# Altium PCB Test.PcbDoc (part 2 of 7) (continued)
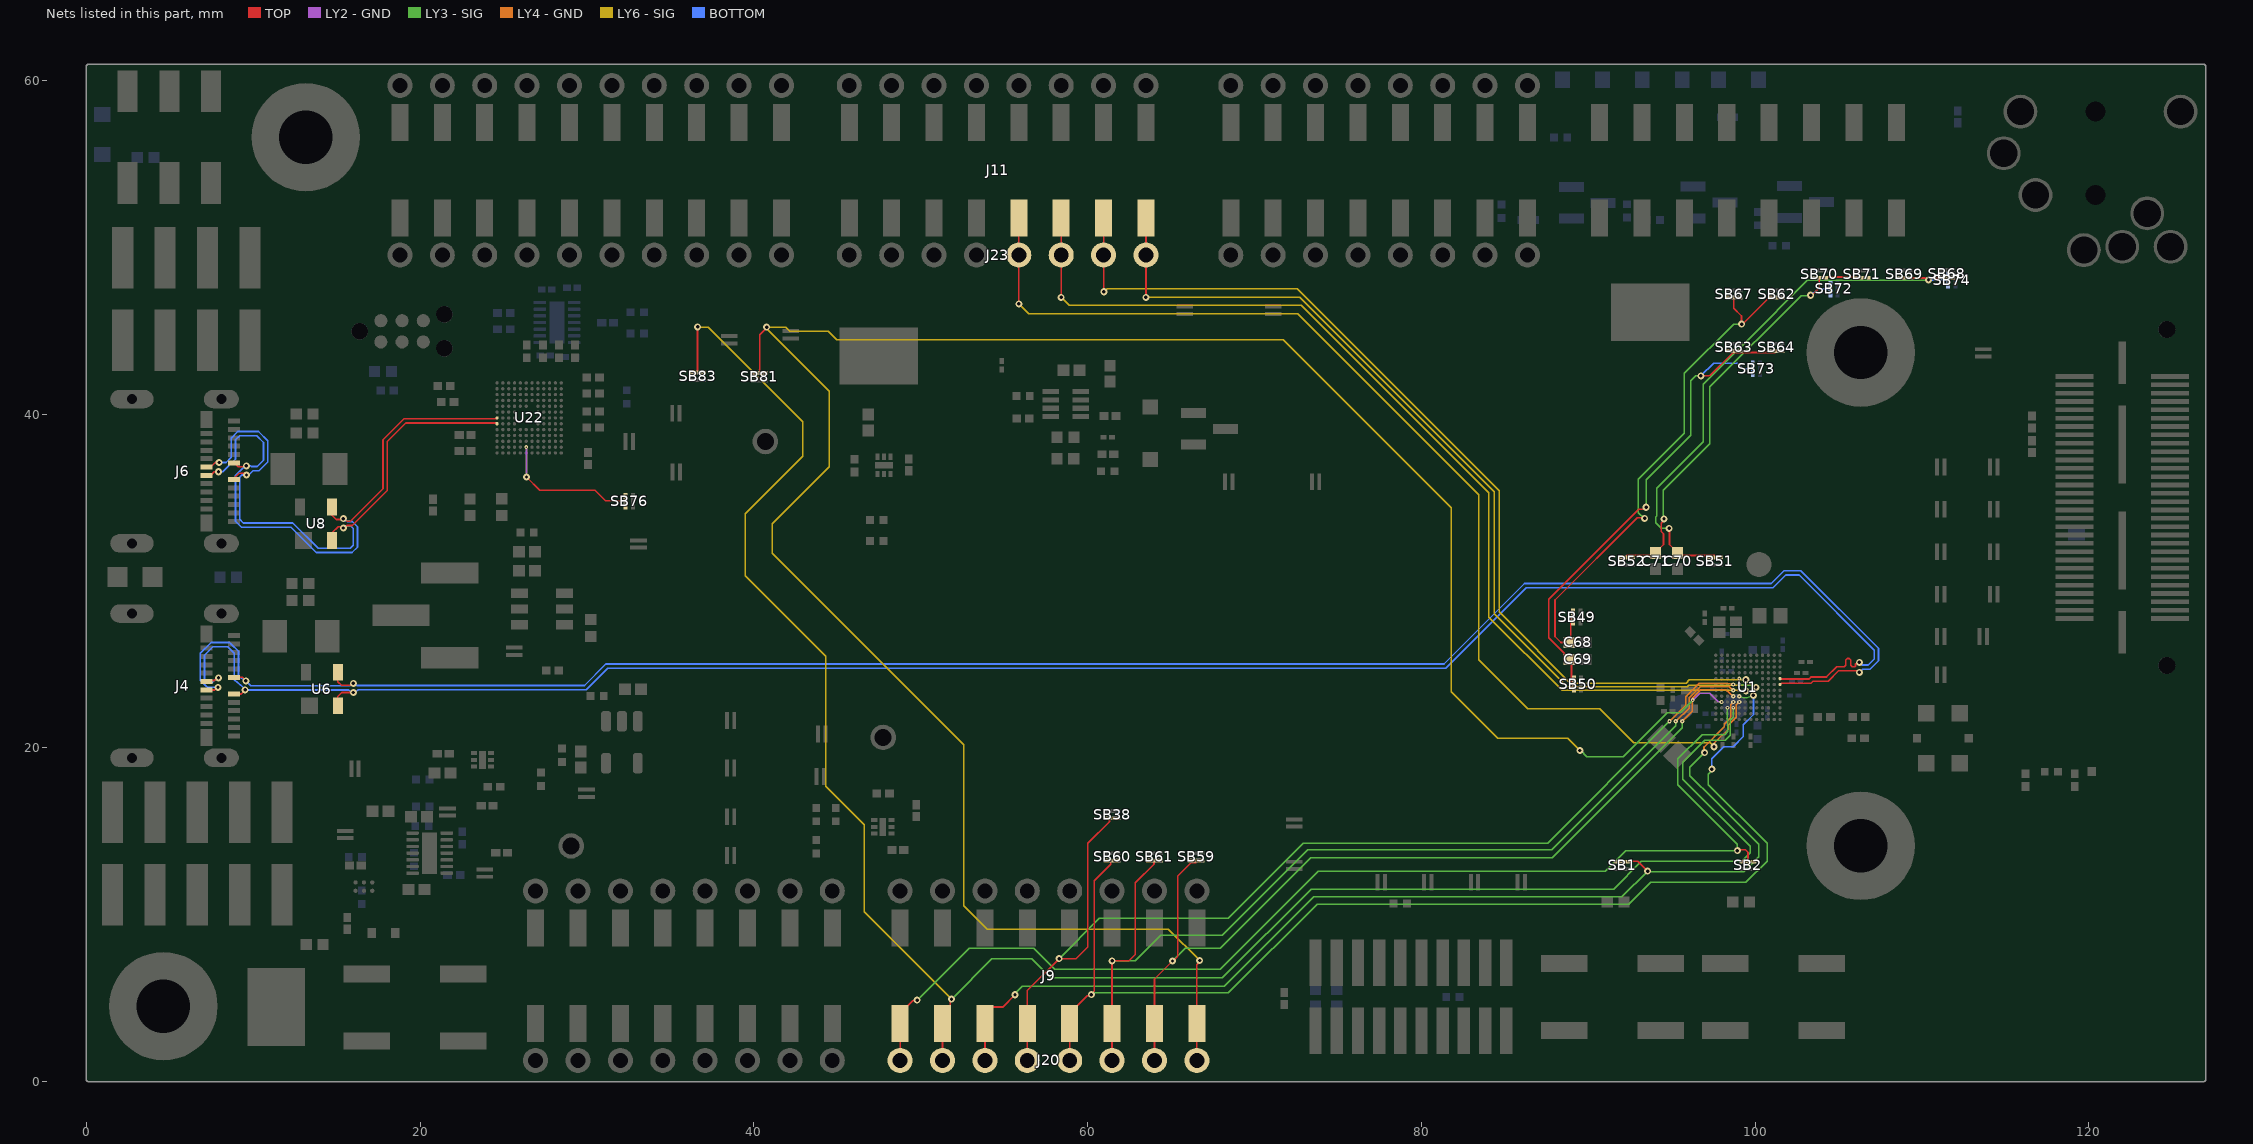
[diagram p8: the nets of this part, all layers, seen from the top]
## Part data (continued)
L3: library part LQP15MN2N2B02D, "NONE", Case Code (Imperial)=0402, Case Code (Metric)=1005, Current Rating=220mA, DC Resistance (DCR)=300mR, Manufacturer=Murata, Max Operating Temperature=85癈, Min Operating Temperature=-40癈, Package Quantity=10000, Resistor Type="Thin Film", Self Resonant Frequency=6GHz, Test Frequency=500MHz, AMBIQ PN=LQP15MN2N2B02D, Case/Package=0402, Category="Fixed Inductors", ComponentLink1Description=https://datasheet.ciiva.com/11801/0900766b80f155d9-11801394.pdf?src-supplier=RSComponents, ComponentLink1URL=https://datasheet.ciiva.com/11801/0900766b80f155d9-11801394.pdf?src-supplier=RSComponents, ComponentLink2Description=https://datasheet.ciiva.com/1039/l0075s0084lqp15m-1039847.pdf?src-supplier=Digi-Key, ComponentLink2URL=https://datasheet.ciiva.com/1039/l0075s0084lqp15m-1039847.pdf?src-supplier=Digi-Key, ComponentLink3Description=https://datasheet.ciiva.com/1039/l0075s0084lqp15m-1039846.pdf?src-supplier=Digi-Key, ComponentLink3URL=https://datasheet.ciiva.com/1039/l0075s0084lqp15m-1039846.pdf?src-supplier=Digi-Key, ComponentLink4Description=https://datasheet.ciiva.com/1039/l0075s0084lqp15m-1039848.pdf?src-supplier=Digi-Key, ComponentLink4URL=https://datasheet.ciiva.com/1039/l0075s0084lqp15m-1039848.pdf?src-supplier=Digi-Key, Core Material=Non-Magnetic, DC Current=220mA, Depth=0.6mm, Height=0.35mm, Height - Seated (Max)=0.018inch, Inductance=2.2nH, Lead Free="Lead Free", Length=1.1mm, Manufacturer Part Number=LQP15MN2N2B02D, Max DC Current=220mA, Military Standard=Not, Mount="Surface Mount", Packaging="Tape and Reel", Pricing 1="10000=0.04609, 20000=0.04476, 40000=0.04342 (USD)", Q Factor=13, Radiation Hardening=No, Rated Current-Max=220mA, RoHS=Yes, RoHS Compliant=Yes, Series=LQP15M, Shielding=Unshielded, Supplier 1=Avnet, Supplier Part Number 1=LQP15MN2N2B02D, Technology="THIN FILM", Termination=SMD/SMT, Width=0.02inch
L4: library part LQP15MN2N0B02D, "NONE", Case Code (Imperial)=0402, Case Code (Metric)=1005, Current=130mA, Current Rating=220mA, DC Resistance (DCR)=300mR, Manufacturer=Murata, Max Operating Temperature=85癈, Min Operating Temperature=-40癈, Package Quantity=10000, Resistor Type="Thin Film", Self Resonant Frequency=6GHz, Test Frequency=500MHz, AMBIQ PN=LQP15MN2N0B02D, Case/Package=0402, Category="Fixed Inductors", ComponentLink1Description=https://datasheet.ciiva.com/11798/0900766b810228cf-11798602.pdf?src-supplier=RSComponents, ComponentLink1URL=https://datasheet.ciiva.com/11798/0900766b810228cf-11798602.pdf?src-supplier=RSComponents, ComponentLink2Description=https://datasheet.ciiva.com/6705/l0075s0084lqp15m-6705214.pdf?src-supplier=Digi-Key, ComponentLink2URL=https://datasheet.ciiva.com/6705/l0075s0084lqp15m-6705214.pdf?src-supplier=Digi-Key, ComponentLink3Description=https://datasheet.ciiva.com/6705/l0075s0084lqp15m-6705210.pdf?src-supplier=Digi-Key, ComponentLink3URL=https://datasheet.ciiva.com/6705/l0075s0084lqp15m-6705210.pdf?src-supplier=Digi-Key, ComponentLink4Description=https://datasheet.ciiva.com/4977/product-4977814.pdf?src-supplier=Mouser, ComponentLink4URL=https://datasheet.ciiva.com/4977/product-4977814.pdf?src-supplier=Mouser, ComponentLink5Description=https://datasheet.ciiva.com/8510/l0075s0084lqp15m-8510303.pdf?src-supplier=Avnet, ComponentLink5URL=https://datasheet.ciiva.com/8510/l0075s0084lqp15m-8510303.pdf?src-supplier=Avnet, ComponentLink6Description=https://datasheet.ciiva.com/16397/l0075s0084lqp15m-16397565.pdf?src-supplier=Future+Electronics, ComponentLink6URL=https://datasheet.ciiva.com/16397/l0075s0084lqp15m-16397565.pdf?src-supplier=Future+Electronics, Core Material=Non-Magnetic, DC Current=220mA, Depth=0.6mm, Height=0.35mm, Height - Seated (Max)=0.018inch, Inductance=2nH, Lead Free="Lead Free", Length=1mm, Manufacturer Part Number=LQP15MN2N0B02D, Max DC Current=220mA, Military Standard=Not, Mount="Surface Mount", Packaging="Tape and Reel", Pricing 1="1=0.18190, 10=0.16280, 25=0.16100, 100=0.10650, 250=0.10520, 500=0.08710, 1000=0.07690, 3000=0.05610, 6000=0.05560 (USD)", Q Factor=13, Radiation Hardening=No, Rated Current-Max=220mA, REACH SVHC="No SVHC", RoHS=Yes, RoHS Compliant=Yes, Series=LQP15M, Shielding=Unshielded, Stock 1=9090, Supplier 1="Arrow Electronics", Supplier Part Number 1=LQP15MN2N0B02D, Technology="THIN FILM", Termination=SMD/SMT, Width=0.02inch
Q2 Q3 Q4 Q5: "None", Case/Package=SOT-23-3, Collector Base Voltage (VCBO)=60V, Collector Emitter Breakdown Voltage=40V, Collector Emitter Saturation Voltage=300mV, Current Rating=200mA, Emitter Base Voltage (VEBO)=6V, Frequency=300MHz, Manufacturer="ON Semiconductor", Max Operating Temperature=150癈, Max Power Dissipation=300mW, Min Operating Temperature=-55癈, Package Quantity=1, Supplier Part Number 1=5450343, AMBIQ PN=MMBT3904LT1G, Category=BJTs, Collector Emitter Voltage (VCEO)=40V, Collector-emitter Voltage-Max=300mV, ComponentLink1Description=https://datasheet.ciiva.com/4723/mmbt3904lt1-d-113169-4723050.pdf, ComponentLink1URL=https://datasheet.ciiva.com/4723/mmbt3904lt1-d-113169-4723050.pdf, Contact Plating=Tin,Matte, Element Configuration=Single, Gain Bandwidth Product=300MHz, Height=0.94mm, hFE Min=100, Lead Free="Lead Free", Length=2.9mm, Manufacturer Part Number=MMBT3904LT1G, Max Breakdown Voltage=40V, Max Collector Current=200mA, Max Frequency=300MHz, Number of Elements=1, Number of Pins=3, Packaging="Tape and Reel", Polarity=NPN, Power Dissipation=300mW, Pricing 1="50=0.12200, 100=0.09200, 250=0.09100, 500=0.09000, 1250=0.07100 (GBP)", Radiation Hardening=No, REACH SVHC="No SVHC", RoHS=Yes, RoHS Compliant=Yes, Series=-, Stock 1=150, Supplier 1=RSComponents, Transition Frequency=300MHz, Type="General Purpose", Voltage Rating (DC)=40V, Width=1.3mm
R1 R4 R38 R40 R72: library part CRCW04020000Z0EDHP, "CRCW Series 0402 0.2 W 0 Ohm Jumper Surface Mount Thick Film Chip Resistor", Case Code (Imperial)=0402, Case Code (Metric)=1005, Manufacturer="Vishay Dale", Max Operating Temperature=155癈, Max Power Dissipation=125mW, Min Operating Temperature=-55癈, Package Quantity=1, Power Rating=200mW, Resistance=0R, Resistor Type="Thick Film", Supplier Part Number 1=68R2982, Temperature Coefficient=0ppm/癈, Voltage Rating=50V, AMBIQ PN=CRCW04020000Z0EDHP, Case/Package=0402, Category="Chip SMD Resistors", ComponentLink1Description=https://datasheet.ciiva.com/7725/crcwhpe3-7725758.pdf?src-supplier=Element14, ComponentLink1URL=https://datasheet.ciiva.com/7725/crcwhpe3-7725758.pdf?src-supplier=Element14, ComponentLink2Description=https://datasheet.ciiva.com/28621/1912814-28621324.pdf?src-supplier=Element14, ComponentLink2URL=https://datasheet.ciiva.com/28621/1912814-28621324.pdf?src-supplier=Element14, ComponentLink3URL=https://datasheet.ciiva.com/2470/crcwhpe3-2470556.pdf?src-supplier=Digi-Key, Construction=Rectangular, Contact Plating=Tin, Depth=0.5mm, Features="Automotive AEC-Q200", Height=0.3mm, Lead Free="Lead Free", Length=1mm, Manufacturer Part Number=CRCW04020000Z0EDHP, Military Standard=Not, Mount="Surface Mount", Number of Terminations=2, Packaging="Tape and Reel", Pricing 1="1=0.01500, 10000=0.01500 (USD)", Radiation Hardening=No, REACH SVHC=Unknown, RoHS=Yes, RoHS Compliant=Yes, Series=CRCW-HP, Size Code=0402, Stock 1=60000, Supplier 1=Newark, Technology="THICK FILM", Termination=SMD/SMT, Voltage Rating (DC)=50V, Weight=2.3E-05oz, Width=0.02inch
R2 R11 R19 R34 R35 R36 R44 R46 R62 R63 R64 R65 R66 R67: library part RC0402FR-0710KL, "Surface Mount Thick Film Resistor, Rc Series, 10 Kohm, 62.5 Mw, - 1%, 50 V, 0402 [1005 Metric]", Case Code (Imperial)=0402, Case Code (Metric)=1005, Manufacturer=Yageo, Max Operating Temperature=155癈, Max Power Dissipation=63mW, Min Operating Temperature=-55癈, Power Rating=62.5mW, Resistance=10kR, Resistance Tolerance=1%, Resistor Type="Thick Film", Temperature Coefficient=100ppm/癈, Voltage Rating=50V, AMBIQ PN=RC0402FR-0710KL, Case/Package=0402, Category="Chip SMD Resistors", ComponentLink1Description=https://datasheet.ciiva.com/7660/38568-7660787.pdf?src-supplier=Element14, ComponentLink1URL=https://datasheet.ciiva.com/7660/38568-7660787.pdf?src-supplier=Element14, ComponentLink2Description=https://datasheet.ciiva.com/7849/1686128-7849814.pdf?src-supplier=Element14, ComponentLink2URL=https://datasheet.ciiva.com/7849/1686128-7849814.pdf?src-supplier=Element14, ComponentLink3URL=https://datasheet.ciiva.com/7983/1018594-7983486.pdf?src-supplier=Element14, Construction=Rectangular, Depth=0.5mm, Features="Moisture Resistant", Height=0.32mm, Lead Free="Lead Free", Lead Pitch=0.2mm, Length=1mm, Manufacturer Part Number=RC0402FR-0710KL, Military Standard=Not, Number of Pins=2, Number of Terminations=2, Packaging="Tape and Reel", Pricing 1="10000=0.00210 (USD)", REACH SVHC="No SVHC", RoHS=Yes, RoHS Compliant=Yes, Series=RC, Stock 1=7776428, Supplier 1="Arrow Electronics", Supplier Part Number 1=RC0402FR-0710KL, Termination=SMD/SMT, Tolerance=1%, Voltage Rating (DC)=50V, Width=0.5mm, Working Voltage=50V
R5 R6 R7 R37 R39: library part ERJ-2RKF1003X, "RES SMD 100K OHM 1% 1/10W 0402", Case Code (Imperial)=0402, Case Code (Metric)=1005, Manufacturer=Panasonic, Max Operating Temperature=155癈, Max Power Dissipation=100mW, Min Operating Temperature=-55癈, Package Quantity=10000, Resistance=100kR, Resistor Type="Thick Film", Temperature Coefficient=100ppm/癈, Tolerance=1%, Voltage Rating=50V, AMBIQ PN=ERJ-2RKF1003X, Case/Package=0402, Category="Chip SMD Resistors", ComponentLink1Description=https://datasheet.ciiva.com/34303/1987038-34303550.pdf?src-supplier=Jameco, ComponentLink1URL=https://datasheet.ciiva.com/34303/1987038-34303550.pdf?src-supplier=Jameco, ComponentLink2Description=https://datasheet.ciiva.com/11821/0900766b80f80784-11821175.pdf?src-supplier=RSComponents, ComponentLink2URL=https://datasheet.ciiva.com/11821/0900766b80f80784-11821175.pdf?src-supplier=RSComponents, ComponentLink3URL=https://datasheet.ciiva.com/7830/aoa0000ce2-7830725.pdf?src-supplier=Element14, Contact Plating=Tin, Depth=0.5mm, Features="Automotive AEC-Q200", Height=0.35mm, Lead Free="Lead Free", Length=1mm, Manufacturer Part Number=ERJ-2RKF1003X, Military Standard=Not, Mount="Surface Mount", Number of Pins=2, Number of Terminations=2, Packaging="Cut Tape", Power Rating=100mW, Pricing 1="10000=0.00840 (USD)", Radiation Hardening=No, REACH SVHC="No SVHC", RoHS=Yes, RoHS Compliant=Yes, Series=ERJ-2Rx, Stock 1=267708, Supplier 1="Arrow Electronics", Supplier Part Number 1=ERJ-2RKF1003X, Technology="THICK FILM", Termination=SMD/SMT, Voltage Rating (DC)=50V, Weight=0.000388oz, Width=0.5mm
R9: library part ERJ-2RKF4642X, "Res Thick Film 0402 46.4K Ohm 1% 1/10W ?00ppm/癈 Molded SMD Punched Carrier T/R", Case Code (Imperial)=0402, Case Code (Metric)=1005, Manufacturer=Panasonic, Max Operating Temperature=155癈, Max Power Dissipation=100mW, Min Operating Temperature=-55癈, Package Quantity=1, Resistance=46.4kR, Resistance Tolerance=1%, Resistor Type="Thick Film", Temperature Coefficient=100ppm/癈, Voltage Rating=50V, AMBIQ PN=ERJ-2RKF4642X, Case/Package=0402, Category="Chip SMD Resistors", ComponentLink1Description=https://datasheet.ciiva.com/7870/aoa0000ce2-7870821.pdf?src-supplier=Element14, ComponentLink1URL=https://datasheet.ciiva.com/7870/aoa0000ce2-7870821.pdf?src-supplier=Element14, ComponentLink2Description=https://datasheet.ciiva.com/43467/1678782-43467454.pdf?src-supplier=Farnell, ComponentLink2URL=https://datasheet.ciiva.com/43467/1678782-43467454.pdf?src-supplier=Farnell, ComponentLink3URL=https://datasheet.ciiva.com/46372/1678782-46372975.pdf?src-supplier=Element14, Construction=Rectangular, Contact Plating=Tin, Depth=0.5mm, Features="Automotive AEC-Q200", Height=0.35mm, Lead Free="Lead Free", Length=1mm, Manufacturer Part Number=ERJ-2RKF4642X, Military Standard=Not, Mount="Surface Mount", Number of Terminations=2, Packaging="Tape and Reel", Power Rating=100mW, Pricing 1="10000=0.00520 (USD)", Radiation Hardening=No, REACH SVHC=Yes, RoHS=Yes, RoHS Compliant=Yes, Series=ERJ, Stock 1=70000, Supplier 1="Arrow Electronics", Supplier Part Number 1=ERJ-2RKF4642X, Technology="THICK FILM", Termination=SMD/SMT, Tolerance=1%, Voltage Rating (DC)=50V, Width=0.02inch
R10: library part ERJ-2RKF6192X, "Res Thick Film 0402 61.9K Ohm 1% 1/10W +/-100ppm/逤 Molded SMD Punched Carrier T/R", Case Code (Imperial)=0402, Case Code (Metric)=1005, Manufacturer=Panasonic, Max Operating Temperature=155癈, Max Power Dissipation=100mW, Min Operating Temperature=-55癈, Package Quantity=1, Resistance=61.9kR, Resistance Tolerance=1%, Resistor Type="Thick Film", Temperature Coefficient=100ppm/癈, Voltage Rating=50V, AMBIQ PN=ERJ-2RKF6192X, Case/Package=0402, Category="Chip SMD Resistors", ComponentLink1Description=https://datasheet.ciiva.com/31404/1678782-31404872.pdf?src-supplier=Farnell, ComponentLink1URL=https://datasheet.ciiva.com/31404/1678782-31404872.pdf?src-supplier=Farnell, ComponentLink2Description=https://datasheet.ciiva.com/6201/426256-6201383.pdf?src-supplier=Farnell, ComponentLink2URL=https://datasheet.ciiva.com/6201/426256-6201383.pdf?src-supplier=Farnell, ComponentLink3URL=https://datasheet.ciiva.com/43460/426256-43460335.pdf?src-supplier=Farnell, Construction=Rectangular, Contact Plating=Tin, Depth=0.5mm, Features="Automotive AEC-Q200", Height=0.016inch, Lead Free="Lead Free", Length=1mm, Manufacturer Part Number=ERJ-2RKF6192X, Military Standard=Not, Mount="Surface Mount", Number of Terminations=2, Packaging="Tape and Reel", Power Rating=100mW, Pricing 1="1=0.05180, 10=0.02920, 25=0.02020 (USD)", REACH SVHC="No SVHC", RoHS=Yes, RoHS Compliant=Yes, Series=ERJ, Stock 1=50040, Supplier 1="Arrow Electronics", Supplier Part Number 1=ERJ-2RKF6192X, Termination=SMD/SMT, Tolerance=1%, Voltage Rating (DC)=50V, Width=0.02inch
R12: library part CRCW0402392KFKED, "Res Thick Film 0402 392K Ohm 1% 1/16W ?00ppm/癈 Molded SMD SMD Paper T/R", Case Code (Imperial)=0402, Case Code (Metric)=1005, Manufacturer=Vishay, Max Operating Temperature=155癈, Max Power Dissipation=63mW, Min Operating Temperature=-55癈, Package Quantity=10, Resistance=392kR, Resistance Tolerance=1%, Resistor Type="Thick Film", Supplier Part Number 1=52K7031, Temperature Coefficient=100ppm/癈, Voltage Rating=50V, AMBIQ PN=CRCW0402392KFKED, Case/Package=0402, Category="Chip SMD Resistors", ComponentLink1Description=https://datasheet.ciiva.com/11818/0900766b80d98824-11818070.pdf?src-supplier=RSComponents, ComponentLink1URL=https://datasheet.ciiva.com/11818/0900766b80d98824-11818070.pdf?src-supplier=RSComponents, ComponentLink2Description=https://datasheet.ciiva.com/2463/dcrcwe3-2463814.pdf?src-supplier=Digi-Key, ComponentLink2URL=https://datasheet.ciiva.com/2463/dcrcwe3-2463814.pdf?src-supplier=Digi-Key, ComponentLink3Description=https://datasheet.ciiva.com/7830/aoa0000ce2-783072, ComponentLink3URL=https://datasheet.ciiva.com/2463/dcrcwe3-2463815.pdf?src-supplier=Digi-Key, ComponentLink4Description=https://datasheet.ciiva.com/7830/426256-7830974.pd, ComponentLink4URL=https://datasheet.ciiva.com/7830/426256-7830974.pd, ComponentLink5Description=https://datasheet.ciiva.com/43467/1678782-43467480, ComponentLink5URL=https://datasheet.ciiva.com/43467/1678782-43467480, ComponentLink6Description=https://datasheet.ciiva.com/22723/426256-22723902., ComponentLink6URL=https://datasheet.ciiva.com/22723/426256-22723902., ComponentLink7Description=https://datasheet.ciiva.com/16778/70260748-1677805, ComponentLink7URL=https://datasheet.ciiva.com/16778/70260748-1677805, ComponentLink8Description=https://datasheet.ciiva.com/16784/70260748-1678419, ComponentLink8URL=https://datasheet.ciiva.com/16784/70260748-1678419, ComponentLink9Description=https://datasheet.ciiva.com/9186/aoa0000ce2-918668, ComponentLink9URL=https://datasheet.ciiva.com/9186/aoa0000ce2-918668, ComponentLink10Description=https://datasheet.ciiva.com/16440/aoa0000ce2-16440, ComponentLink10URL=https://datasheet.ciiva.com/16440/aoa0000ce2-16440, ComponentLink11Description=https://datasheet.ciiva.com/48531/aoa0000ce2-48531, ComponentLink11URL=https://datasheet.ciiva.com/48531/aoa0000ce2-48531, ComponentLink12Description=https://datasheet.ciiva.com/30245/aoa0000ce2-30245, ComponentLink12URL=https://datasheet.ciiva.com/30245/aoa0000ce2-30245, Construction=Rectangular, Contact Plating=Tin, Depth=0.5mm, Features="Automotive AEC-Q200", Height=0.35mm, Lead Free="Lead Free", Length=1mm, Manufacturer Part Number=CRCW0402392KFKED, Military Standard=Not, Mount="Surface Mount", Number of Terminations=2, Packaging="Tape and Reel", Power Rating=63mW, Pricing 1="1=0.11000, 25=0.04200, 100=0.01800, 250=0.01700, 500=0.01500, 1000=0.00800 (USD)", Radiation Hardening=No, REACH SVHC=Unknown, RoHS=Yes, RoHS Compliant=Yes, Series=CRCW, Size Code=0402, Stock 1=12021, Supplier 1=Newark, Technology="THICK FILM", Termination=SMD/SMT, Tolerance=1%, Voltage Rating (DC)=50V, Weight=2.3E-05oz, Width=0.5mm
R13: library part CRCW040220K0FKED, "Res Thick Film 0402 20K Ohm 1% 1/16W ?00ppm/癈 Molded SMD Paper T/R", Case Code (Imperial)=0402, Case Code (Metric)=1005, Manufacturer=Vishay, Max Operating Temperature=155癈, Max Power Dissipation=63mW, Min Operating Temperature=-55癈, Package Quantity=10, Resistance=20kR, Resistance Tolerance=1%, Resistor Type="Thick Film", Supplier Part Number 1=24W2083, Temperature Coefficient=100ppm/癈, Voltage Rating=50V, AMBIQ PN=CRCW040220K0FKED, Case/Package=0402, Category="Chip SMD Resistors", ComponentLink1Description=https://datasheet.ciiva.com/11810/0900766b80d98824-11810023.pdf?src-supplier=RSComponents, ComponentLink1URL=https://datasheet.ciiva.com/11810/0900766b80d98824-11810023.pdf?src-supplier=RSComponents, ComponentLink2Description=https://datasheet.ciiva.com/2463/dcrcwe3-2463139.pdf?src-supplier=Digi-Key, ComponentLink2URL=https://datasheet.ciiva.com/2463/dcrcwe3-2463139.pdf?src-supplier=Digi-Key, ComponentLink3URL=https://datasheet.ciiva.com/2463/dcrcwe3-2463140.pdf?src-supplier=Digi-Key, Construction=Rectangular, Contact Plating=Tin, Depth=0.5mm, Features="Automotive AEC-Q200", Height=0.35mm, Lead Free="Lead Free", Length=1mm, Manufacturer Part Number=CRCW040220K0FKED, Military Standard=Not, Mount="Surface Mount", Number of Pins=2, Number of Terminations=2, Packaging="Tape and Reel", Power Rating=63mW, Pricing 1="1=0.00600, 10000=0.00600 (USD)", Radiation Hardening=No, REACH SVHC=Unknown, RoHS=Yes, RoHS Compliant=Yes, Series=CRCW, Stock 1=380000, Supplier 1=Newark, Technology="THICK FILM", Termination=SMD/SMT, Tolerance=1%, Voltage Rating (DC)=50V, Weight=2.3E-05oz, Width=0.5mm, Working Voltage=50V
R14: library part CRCW040280K6FKED, "Res Thick Film 0402 80.6K Ohm 1% 1/16W ?00ppm/癈 Molded SMD SMD Paper T/R", Case Code (Imperial)=0402, Case Code (Metric)=1005, Manufacturer=Vishay, Max Operating Temperature=155癈, Max Power Dissipation=63mW, Min Operating Temperature=-55癈, Package Quantity=10000, Resistance=80.6kR, Resistance Tolerance=1%, Resistor Type="Thick Film", Supplier Part Number 1=52K7296, Temperature Coefficient=100ppm/癈, Voltage Rating=50V, AMBIQ PN=CRCW040280K6FKED, Case/Package=0402, Category="Chip SMD Resistors", ComponentLink1Description=https://datasheet.ciiva.com/7816/1697337-7816204.pdf?src-supplier=Element14, ComponentLink1URL=https://datasheet.ciiva.com/7816/1697337-7816204.pdf?src-supplier=Element14, ComponentLink2Description=https://datasheet.ciiva.com/16394/dcrcwe3-16394495.pdf?src-supplier=Future+Electronics, ComponentLink2URL=https://datasheet.ciiva.com/16394/dcrcwe3-16394495.pdf?src-supplier=Future+Electronics, ComponentLink3URL=https://datasheet.ciiva.com/15159/getdatasheetpartid-29248-15159276.pdf?src-supplier=Verical, Construction=Rectangular, Contact Plating=Tin, Depth=0.5mm, Features="Automotive AEC-Q200", Height=0.35mm, Lead Free="Lead Free", Length=1mm, Manufacturer Part Number=CRCW040280K6FKED, Military Standard=Not, Number of Pins=2, Number of Terminations=2, Packaging="Tape and Reel", Power Rating=63mW, Pricing 1="1=0.00500, 25=0.00500, 100=0.00500, 250=0.00500, 500=0.00500, 1000=0.00500 (USD)", Radiation Hardening=No, REACH SVHC=Unknown, RoHS=Yes, RoHS Compliant=Yes, Series=CRCW, Size Code=0402, Stock 1=9653, Supplier 1=Newark, Technology="THICK FILM", Termination=SMD/SMT, Tolerance=1%, Voltage Rating (DC)=50V, Weight=2.3E-05oz, Width=0.5mm
R15: library part CRCW040233K2FKED, "Res Thick Film 0402 33.2K Ohm 1% 1/16W ?00ppm/癈 Molded SMD Paper T/R", Case Code (Imperial)=0402, Case Code (Metric)=1005, Manufacturer=Vishay, Max Operating Temperature=155癈, Max Power Dissipation=63mW, Min Operating Temperature=-55癈, Package Quantity=10, Resistance=33.2kR, Resistance Tolerance=1%, Resistor Type="Thick Film", Supplier Part Number 1=42K3471, Temperature Coefficient=100ppm/癈, Voltage Rating=50V, AMBIQ PN=CRCW040233K2FKED, Case/Package=0402, Category="Chip SMD Resistors", ComponentLink1Description=https://datasheet.ciiva.com/11818/0900766b80d98824-11818039.pdf?src-supplier=RSComponents, ComponentLink1URL=https://datasheet.ciiva.com/11818/0900766b80d98824-11818039.pdf?src-supplier=RSComponents, ComponentLink2Description=https://datasheet.ciiva.com/3256/dcrcwe3-3256415.pdf?src-supplier=Avnet, ComponentLink2URL=https://datasheet.ciiva.com/3256/dcrcwe3-3256415.pdf?src-supplier=Avnet, ComponentLink3URL=https://datasheet.ciiva.com/2463/dcrcwe3-2463142.pdf?src-supplier=Digi-Key, Construction=Rectangular, Contact Plating=Tin, Depth=0.5mm, Features="Automotive AEC-Q200", Height=0.35mm, Lead Free="Lead Free", Length=1mm, Manufacturer Part Number=CRCW040233K2FKED, Military Standard=Not, Mount="Surface Mount", Number of Pins=2, Number of Terminations=2, Packaging="Tape and Reel", Power Rating=63mW, Pricing 1="1=0.00600, 10000=0.00600 (USD)", Radiation Hardening=No, REACH SVHC=Unknown, RoHS=Yes, RoHS Compliant=Yes, Series=CRCW, Size Code=0402, Stock 1=10000, Supplier 1=Newark, Technology="THICK FILM", Termination=SMD/SMT, Tolerance=1%, Voltage Rating (DC)=50V, Weight=2.3E-05oz, Width=0.5mm
R16 R17 R22 R23: library part CRCW04025K10FKED, "Res Thick Film 0402 5.1K Ohm 1% 1/16W ?00ppm/癈 Molded SMD SMD Paper T/R", Case Code (Imperial)=0402, Case Code (Metric)=1005, Manufacturer=Vishay, Max Operating Temperature=155癈, Max Power Dissipation=63mW, Min Operating Temperature=-55癈, Package Quantity=10, Resistance Tolerance=1%, Resistor Type="Thick Film", Supplier Part Number 1=6789478P, Temperature Coefficient=100ppm/癈, Voltage Rating=50V, AMBIQ PN=CRCW04025K10FKED, Case/Package=0402, Category="Chip SMD Resistors", ComponentLink1Description=https://datasheet.ciiva.com/11809/0900766b80d98824-11809770.pdf?src-supplier=RSComponents, ComponentLink1URL=https://datasheet.ciiva.com/11809/0900766b80d98824-11809770.pdf?src-supplier=RSComponents, ComponentLink2Description=https://datasheet.ciiva.com/2464/dcrcwe3-2464033.pdf?src-supplier=Digi-Key, ComponentLink2URL=https://datasheet.ciiva.com/2464/dcrcwe3-2464033.pdf?src-supplier=Digi-Key, ComponentLink3Description=https://datasheet.ciiva.com/2464/dcrcwe3-2464034.p, ComponentLink3URL=https://datasheet.ciiva.com/2464/dcrcwe3-2464034.pdf?src-supplier=Digi-Key, ComponentLink4Description=https://datasheet.ciiva.com/2464/dcrcwe3-2464035.p, ComponentLink4URL=https://datasheet.ciiva.com/2464/dcrcwe3-2464035.p, ComponentLink5Description=https://datasheet.ciiva.com/3256/dcrcwe3-3256680.p, ComponentLink5URL=https://datasheet.ciiva.com/3256/dcrcwe3-3256680.p, ComponentLink6Description=https://datasheet.ciiva.com/7690/1697337-7690682.p, ComponentLink6URL=https://datasheet.ciiva.com/7690/1697337-7690682.p, ComponentLink7Description=https://datasheet.ciiva.com/7690/1697337-7690683.p, ComponentLink7URL=https://datasheet.ciiva.com/7690/1697337-7690683.p, ComponentLink8Description=https://datasheet.ciiva.com/22675/1847332-22675086, ComponentLink8URL=https://datasheet.ciiva.com/22675/1847332-22675086, ComponentLink9Description=https://datasheet.ciiva.com/7172/1635184-7172981.p, ComponentLink9URL=https://datasheet.ciiva.com/7172/1635184-7172981.p, Construction=Rectangular, Contact Plating=Tin, Depth=0.5mm, Features="Automotive AEC-Q200", Height=0.35mm, Lead Free="Lead Free", Length=1mm, Manufacturer Part Number=CRCW04025K10FKED, Military Standard=Not, Mount="Surface Mount", Number of Terminations=2, Packaging="Tape and Reel", Power Rating=63mW, Pricing 1="50=0.06400, 500=0.05900, 1000=0.05300, 2000=0.04700, 4000=0.04100 (USD)", Radiation Hardening=No, REACH SVHC=Unknown, Resistance=5.1kΩ, RoHS=Yes, RoHS Compliant=Yes, Series=CRCW, Size Code=0402, Stock 1=1, Supplier 1=RSComponents, Technology="THICK FILM", Termination=SMD/SMT, Tolerance=1%, Voltage Rating (DC)=50V, Weight=2.3E-05oz, Width=0.02inch
R18 R71: library part CRCW04024K70FKED, "Res Thick Film 0402 4.7K Ohm 1% 1/16W ?00ppm/癈 Molded SMD SMD Paper T/R", Case Code (Imperial)=0402, Case Code (Metric)=1005, Manufacturer=Vishay, Max Operating Temperature=155癈, Max Power Dissipation=63mW, Min Operating Temperature=-55癈, Package Quantity=10000, Power Rating=62.5mW, Resistance=4.7kR, Resistor Type="Thick Film", Supplier Part Number 1=7991789, Temperature Coefficient=100ppm/癈, Tolerance=1%, Voltage Rating=50V, AMBIQ PN=CRCW04024K70FKED, Case/Package=0402, Category="Chip SMD Resistors", ComponentLink1Description=https://datasheet.ciiva.com/11808/0900766b80d98824-11808622.pdf, ComponentLink1URL=https://datasheet.ciiva.com/11808/0900766b80d98824-11808622.pdf, ComponentLink2Description=https://datasheet.ciiva.com/26316/fld-crcw-e3-data-en-26316654.pdf, ComponentLink2URL=https://datasheet.ciiva.com/26316/fld-crcw-e3-data-en-26316654.pdf, ComponentLink3URL=https://datasheet.ciiva.com/8079/1697337-8079643.pdf, Contact Plating=Tin, Depth=0.5mm, Features="Automotive AEC-Q200", Height=0.35mm, Lead Free="Lead Free", Length=1mm, Manufacturer Part Number=CRCW04024K70FKED, Military Standard=Not, Mount="Surface Mount", Number of Terminations=2, Packaging="Cut Tape", Pricing 1="10000=0.00740, 30000=0.00690, 50000=0.00660, 200000=0.00600, 300000=0.00590 (USD)", Radiation Hardening=No, REACH SVHC=Unknown, RoHS=Yes, RoHS Compliant=Yes, Series="D/CRCW E3", Stock 1=50000, Supplier 1="Future Electronics", Technology="THICK FILM", Termination=SMD/SMT, Voltage Rating (DC)=50V, Weight=2.3E-05oz, Width=0.5mm
R20: library part CRCW040244K2FKED, "Res Thick Film 0402 44.2K Ohm 1% 1/16W ?00ppm/癈 Molded SMD SMD Paper T/R", Case Code (Imperial)=0402, Case Code (Metric)=1005, Manufacturer=Vishay, Max Operating Temperature=155癈, Max Power Dissipation=63mW, Min Operating Temperature=-55癈, Package Quantity=10, Resistance=44.2kR, Resistance Tolerance=1%, Resistor Type="Thick Film", Supplier Part Number 1=6789336, Temperature Coefficient=100ppm/癈, Voltage Rating=50V, AMBIQ PN=CRCW040244K2FKED, Case/Package=0402, Category="Chip SMD Resistors", ComponentLink1Description=https://datasheet.ciiva.com/11809/0900766b80d98824-11809017.pdf?src-supplier=RSComponents, ComponentLink1URL=https://datasheet.ciiva.com/11809/0900766b80d98824-11809017.pdf?src-supplier=RSComponents, ComponentLink2Description=https://datasheet.ciiva.com/2463/dcrcwe3-2463784.pdf?src-supplier=Digi-Key, ComponentLink2URL=https://datasheet.ciiva.com/2463/dcrcwe3-2463784.pdf?src-supplier=Digi-Key, ComponentLink3Description=https://datasheet.ciiva.com/3256/dcrcwe3-3256534.p, ComponentLink3URL=https://datasheet.ciiva.com/3256/dcrcwe3-3256534.pdf?src-supplier=Avnet, ComponentLink4Description=https://datasheet.ciiva.com/2463/dcrcwe3-2463785.p, ComponentLink4URL=https://datasheet.ciiva.com/2463/dcrcwe3-2463785.p, ComponentLink5Description=https://datasheet.ciiva.com/2463/dcrcwe3-2463786.p, ComponentLink5URL=https://datasheet.ciiva.com/2463/dcrcwe3-2463786.p, ComponentLink6Description=https://datasheet.ciiva.com/3256/dcrcwe3-3256533.p, ComponentLink6URL=https://datasheet.ciiva.com/3256/dcrcwe3-3256533.p, ComponentLink7Description=https://datasheet.ciiva.com/7671/1697337-7671605.p, ComponentLink7URL=https://datasheet.ciiva.com/7671/1697337-7671605.p, ComponentLink8Description=https://datasheet.ciiva.com/7671/1697337-7671606.p, ComponentLink8URL=https://datasheet.ciiva.com/7671/1697337-7671606.p, ComponentLink9Description=https://datasheet.ciiva.com/22870/70201119-2287034, ComponentLink9URL=https://datasheet.ciiva.com/22870/70201119-2287034, ComponentLink10Description=https://datasheet.ciiva.com/16768/70201119-1676858, ComponentLink10URL=https://datasheet.ciiva.com/16768/70201119-1676858, Construction=Rectangular, Contact Plating=Tin, Depth=0.5mm, Features="Automotive AEC-Q200", Height=0.35mm, Lead Free="Lead Free", Length=1mm, Manufacturer Part Number=CRCW040244K2FKED, Military Standard=Not, Mount="Surface Mount", Number of Pins=2, Number of Terminations=2, Packaging="Tape and Reel", Power Rating=63mW, Pricing 1="50=0.05000, 500=0.04600, 1000=0.04300, 2000=0.04000, 4000=0.03700 (GBP)", Radiation Hardening=No, REACH SVHC=Unknown, RoHS=Yes, RoHS Compliant=Yes, Series=CRCW, Size Code=0402, Stock 1=1300, Supplier 1=RSComponents, Technology="THICK FILM", Termination=SMD/SMT, Tolerance=1%, Voltage Rating (DC)=50V, Weight=2.3E-05oz, Width=0.5mm
R32 R33: library part ERJ-1GNF1000C, "Res Thick Film 0201 100 Ohm 1% 1/20W ?00ppm/癈 Molded SMD Pressed Carrier T/R", Case Code (Imperial)=0201, Case Code (Metric)=0603, Manufacturer=Panasonic, Max Operating Temperature=125癈, Max Power Dissipation=50mW, Min Operating Temperature=-55癈, Package Quantity=15000, Resistance=100R, Resistance Tolerance=1%, Resistor Type="Thick Film", Temperature Coefficient=200ppm/癈, Voltage Rating=25V, AMBIQ PN=ERJ-1GNF1000C, Case/Package=0201, Category="Chip SMD Resistors", ComponentLink1Description=https://datasheet.ciiva.com/43467/1678782-43467030.pdf?src-supplier=Farnell, ComponentLink1URL=https://datasheet.ciiva.com/43467/1678782-43467030.pdf?src-supplier=Farnell, ComponentLink2Description=https://datasheet.ciiva.com/28514/1678782-28514079.pdf?src-supplier=Element14, ComponentLink2URL=https://datasheet.ciiva.com/28514/1678782-28514079.pdf?src-supplier=Element14, ComponentLink3Description=https://datasheet.ciiva.com/24162/aoa0000ce2-24162, ComponentLink3URL=https://datasheet.ciiva.com/24162/aoa0000ce2-24162875.pdf?src-supplier=Mouser, Construction=Rectangular, Contact Plating=Tin,Matte, Depth=0.3mm, Height=0.01inch, Lead Free="Lead Free", Length=0.6mm, Manufacturer Part Number=ERJ-1GNF1000C, Military Standard=Not, Mount="Surface Mount", Number of Pins=2, Number of Terminations=2, Packaging="Tape and Reel", Power Rating=50mW, Pricing 1="15000=0.00660, 30000=0.00560, 75000=0.00530, 105000=0.00520 (USD)", Radiation Hardening=No, REACH SVHC="No SVHC", RoHS=Yes, RoHS Compliant=Yes, Series=ERJ, Stock 1=15000, Supplier 1="Arrow Electronics", Supplier Part Number 1=ERJ-1GNF1000C, Technology="THICK FILM", Termination=SMD/SMT, Tolerance=1%, Voltage Rating (DC)=25V, Weight=6E-06oz, Width=0.012inch, Working Voltage=25V
R43: library part CRCW040251R0FKED, "Res Thick Film 0402 51 Ohm 1% 1/16W ?00ppm/癈 Molded SMD SMD Paper T/R", Case Code (Imperial)=0402, Case Code (Metric)=1005, Manufacturer=Vishay, Max Operating Temperature=155癈, Max Power Dissipation=63mW, Min Operating Temperature=-55癈, Package Quantity=10, Resistance=51R, Resistance Tolerance=1%, Resistor Type="Thick Film", Supplier Part Number 1=6789425P, Temperature Coefficient=100ppm/癈, Voltage Rating=50V, AMBIQ PN=CRCW040251R0FKED, Case/Package=0402, Category="Chip SMD Resistors", ComponentLink1Description=https://datasheet.ciiva.com/11811/0900766b80d98824-11811263.pdf?src-supplier=RSComponents, ComponentLink1URL=https://datasheet.ciiva.com/11811/0900766b80d98824-11811263.pdf?src-supplier=RSComponents, ComponentLink2Description=https://datasheet.ciiva.com/2463/dcrcwe3-2463385.pdf?src-supplier=Digi-Key, ComponentLink2URL=https://datasheet.ciiva.com/2463/dcrcwe3-2463385.pdf?src-supplier=Digi-Key, ComponentLink3Description=https://datasheet.ciiva.com/2463/dcrcwe3-2463386.p, ComponentLink3URL=https://datasheet.ciiva.com/2463/dcrcwe3-2463386.pdf?src-supplier=Digi-Key, ComponentLink4Description=https://datasheet.ciiva.com/2463/dcrcwe3-2463387.p, ComponentLink4URL=https://datasheet.ciiva.com/2463/dcrcwe3-2463387.p, ComponentLink5Description=https://datasheet.ciiva.com/3256/dcrcwe3-3256623.p, ComponentLink5URL=https://datasheet.ciiva.com/3256/dcrcwe3-3256623.p, ComponentLink6Description=https://datasheet.ciiva.com/16780/70201119-1678071, ComponentLink6URL=https://datasheet.ciiva.com/16780/70201119-1678071, ComponentLink7Description=https://datasheet.ciiva.com/22705/1697337-22705164, ComponentLink7URL=https://datasheet.ciiva.com/22705/1697337-22705164, ComponentLink8Description=https://datasheet.ciiva.com/22870/70201119-2287065, ComponentLink8URL=https://datasheet.ciiva.com/22870/70201119-2287065, ComponentLink9Description=https://datasheet.ciiva.com/7690/1697337-7690680.p, ComponentLink9URL=https://datasheet.ciiva.com/7690/1697337-7690680.p, ComponentLink10Description=https://datasheet.ciiva.com/7690/1697337-7690681.p, ComponentLink10URL=https://datasheet.ciiva.com/7690/1697337-7690681.p, Construction=Rectangular, Contact Plating=Tin, Depth=0.5mm, Features="Automotive AEC-Q200", Height=0.35mm, Lead Free="Lead Free", Length=1mm, Manufacturer Part Number=CRCW040251R0FKED, Military Standard=Not, Number of Pins=2, Number of Terminations=2, Packaging="Tape and Reel", Power Rating=63mW, Pricing 1="50=0.06300, 500=0.05800, 1000=0.05200, 2000=0.04700, 4000=0.04000 (USD)", Radiation Hardening=No, REACH SVHC=Unknown, RoHS=Yes, RoHS Compliant=Yes, Series=CRCW, Size Code=0402, Stock 1=1, Supplier 1=RSComponents, Technology="THICK FILM", Termination=SMD/SMT, Tolerance=1%, Voltage Rating (DC)=50V, Weight=2.3E-05oz, Width=0.5mm
R45: library part ERJ-2RKF1692X, "Res Thick Film 0402 16.9K Ohm 1% 1/10W ?00ppm/癈 Molded SMD Punched Carrier T/R", Case Code (Imperial)=0402, Case Code (Metric)=1005, Manufacturer=Panasonic, Max Operating Temperature=155癈, Max Power Dissipation=100mW, Min Operating Temperature=-55癈, Package Quantity=1, Resistance=16.9kR, Resistance Tolerance=1%, Resistor Type="Thick Film", Temperature Coefficient=100ppm/癈, Voltage Rating=50V, AMBIQ PN=ERJ-2RKF1692X, Case/Package=0402, Category="Chip SMD Resistors", ComponentLink1Description=https://datasheet.ciiva.com/7829/1678782-7829302.pdf?src-supplier=Element14, ComponentLink1URL=https://datasheet.ciiva.com/7829/1678782-7829302.pdf?src-supplier=Element14, ComponentLink2Description=https://datasheet.ciiva.com/22773/1678782-22773610.pdf?src-supplier=Farnell, ComponentLink2URL=https://datasheet.ciiva.com/22773/1678782-22773610.pdf?src-supplier=Farnell, ComponentLink3Description=https://datasheet.ciiva.com/22668/1678782-22668622, ComponentLink3URL=https://datasheet.ciiva.com/22668/1678782-22668622.pdf?src-supplier=Element14, ComponentLink4Description=https://datasheet.ciiva.com/22668/1678782-22668621, ComponentLink4URL=https://datasheet.ciiva.com/22668/1678782-22668621, ComponentLink5Description=https://datasheet.ciiva.com/28548/1694929-28548252, ComponentLink5URL=https://datasheet.ciiva.com/28548/1694929-28548252, ComponentLink6Description=https://datasheet.ciiva.com/46420/1678782-46420069, ComponentLink6URL=https://datasheet.ciiva.com/46420/1678782-46420069, ComponentLink7Description=https://datasheet.ciiva.com/16772/70260748-1677257, ComponentLink7URL=https://datasheet.ciiva.com/16772/70260748-1677257, ComponentLink8Description=https://datasheet.ciiva.com/16785/70260748-1678529, ComponentLink8URL=https://datasheet.ciiva.com/16785/70260748-1678529, ComponentLink9Description=https://datasheet.ciiva.com/9192/aoa0000ce2-919261, ComponentLink9URL=https://datasheet.ciiva.com/9192/aoa0000ce2-919261, ComponentLink10Description=https://datasheet.ciiva.com/30252/aoa0000ce2-30252, ComponentLink10URL=https://datasheet.ciiva.com/30252/aoa0000ce2-30252, Construction=Rectangular, Contact Plating=Tin, Depth=0.5mm, Features="Automotive AEC-Q200", Height=0.016inch, Lead Free="Lead Free", Length=1mm, Manufacturer Part Number=ERJ-2RKF1692X, Military Standard=Not, Mount="Surface Mount", Number of Terminations=2, Packaging="Tape and Reel", Power Rating=100mW, Pricing 1="1=0.06510, 10=0.02940, 25=0.01530, 100=0.00800, 500=0.00790, 1000=0.00470, 3000=0.00380, 6000=0.00350, 15000=0.00270 (USD)", REACH SVHC=Unknown, RoHS=Yes, RoHS Compliant=Yes, Series=ERJ, Stock 1=49794, Supplier 1="Arrow Electronics", Supplier Part Number 1=ERJ-2RKF1692X, Termination=SMD/SMT, Tolerance=1%, Voltage Rating (DC)=50V, Weight=2.8E-05oz, Width=0.02inch
R48: library part ERJ-1GN0R00C, "ERJ Series 0201 0 Ohm 0.05 W Jumper Surface Mount Thick Film Chip Resistor", Case Code (Imperial)=0201, Case Code (Metric)=0603, Manufacturer=Panasonic, Max Operating Temperature=125癈, Max Power Dissipation=50mW, Min Operating Temperature=-55癈, Package Quantity=15000, Resistance=0R, Resistor Type="Thick Film", Supplier Part Number 1=1755716, Temperature Coefficient=600ppm/癈, Tolerance=1%, Voltage Rating=25V, AMBIQ PN=ERJ-1GN0R00C, Case/Package=0201, Category="Chip SMD Resistors", Construction=Rectangular, Contact Plating=Tin, Depth=0.3mm, Features="Automotive AEC-Q200", Height=0.23mm, Length=0.6mm, Manufacturer Part Number=ERJ-1GN0R00C, Mount="Surface Mount", Number of Terminations=2, Packaging="Tape and Reel", Power Rating=50mW, Pricing 1="15000=0.00500 (GBP)", RoHS=Yes, Series=ERJ, Stock 1=577637, Supplier 1=RSComponents, Voltage Rating (DC)=25V, Width=0.3mm
R49: library part RC0402FR-072K2L, "Res Thick Film 1.0 x 0.5 mm 2.2K Ohm 1% 0.063W(1/16W) 100ppm/ C Molded SMD Paper T/R", Case Code (Imperial)=0402, Case Code (Metric)=1005, Manufacturer=Yageo, Max Operating Temperature=155癈, Max Power Dissipation=63mW, Min Operating Temperature=-55癈, Resistance=2.2kR, Resistance Tolerance=1%, Resistor Type="Thick Film", Temperature Coefficient=100ppm/癈, Voltage Rating=50V, AMBIQ PN=RC0402FR-072K2L, Case/Package=0402, Category="Chip SMD Resistors", ComponentLink1Description=https://datasheet.ciiva.com/11808/0900766b80c66297-11808786.pdf?src-supplier=RSComponents, ComponentLink1URL=https://datasheet.ciiva.com/11808/0900766b80c66297-11808786.pdf?src-supplier=RSComponents, ComponentLink2Description=https://datasheet.ciiva.com/7983/1018594-7983515.pdf?src-supplier=Element14, ComponentLink2URL=https://datasheet.ciiva.com/7983/1018594-7983515.pdf?src-supplier=Element14, ComponentLink3URL=https://datasheet.ciiva.com/46383/1018594-46383563.pdf?src-supplier=Element14, Construction=Rectangular, Depth=0.5mm, Features="Moisture Resistant", Height=0.35mm, Lead Free="Lead Free", Length=1mm, Manufacturer Part Number=RC0402FR-072K2L, Military Standard=Not, Number of Terminations=2, Packaging="Tape and Reel", Power Rating=63mW, Pricing 1="10000=0.00090 (USD)", REACH SVHC=Unknown, RoHS=Yes, RoHS Compliant=Yes, Series=RC, Size Code=0402, Stock 1=3540000, Supplier 1="Arrow Electronics", Supplier Part Number 1=RC0402FR-072K2L, Technology="THICK FILM", Termination=SMD/SMT, Tolerance=1%, Weight=2.3E-05oz, Width=0.5mm
R51 R52 R53 R54 R56 R57 R74 R75: library part ERJ-2RKF1004X, "RES SMD 1M OHM 1% 1/10W 0402", Case Code (Imperial)=0402, Case Code (Metric)=1005, Manufacturer=Panasonic, Max Operating Temperature=155癈, Max Power Dissipation=100mW, Min Operating Temperature=-55癈, Package Quantity=1, Resistance=1MR, Resistance Tolerance=1%, Resistor Type="Thick Film", Temperature Coefficient=100ppm/癈, Voltage Rating=50V, AMBIQ PN=ERJ-2RKF1004X, Case/Package=0402, Category="Chip SMD Resistors", ComponentLink1Description=https://datasheet.ciiva.com/34303/1987046-34303551.pdf, ComponentLink1URL=https://datasheet.ciiva.com/34303/1987046-34303551.pdf, ComponentLink2Description=https://datasheet.ciiva.com/11821/0900766b80f80784-11821229.pdf, ComponentLink2URL=https://datasheet.ciiva.com/11821/0900766b80f80784-11821229.pdf, ComponentLink3URL=https://datasheet.ciiva.com/7909/aoa0000ce2-7909180.pdf, Construction=Rectangular, Contact Plating=Tin, Depth=0.5mm, Features="Automotive AEC-Q200", Height=0.35mm, Lead Free="Lead Free", Length=1mm, Manufacturer Part Number=ERJ-2RKF1004X, Military Standard=Not, Mount="Surface Mount", Number of Pins=2, Number of Terminations=2, Packaging="Tape and Reel", Power Rating=100mW, Pricing 1="10000=0.00500, 30000=0.00450, 50000=0.00440, 100000=0.00400 (USD)", Radiation Hardening=No, REACH SVHC=Yes, RoHS=Yes, RoHS Compliant=Yes, Series=ERJ, Stock 1=330000, Supplier 1="Arrow Electronics", Supplier Part Number 1=ERJ-2RKF1004X, Technology="THICK FILM", Termination=SMD/SMT, Tolerance=1%, Voltage Rating (DC)=50V, Weight=2.8E-05oz, Width=0.02inch, Working Voltage=50V